# Altium PCB CATS-GS.PcbDoc (part 2 of 3) (continued)
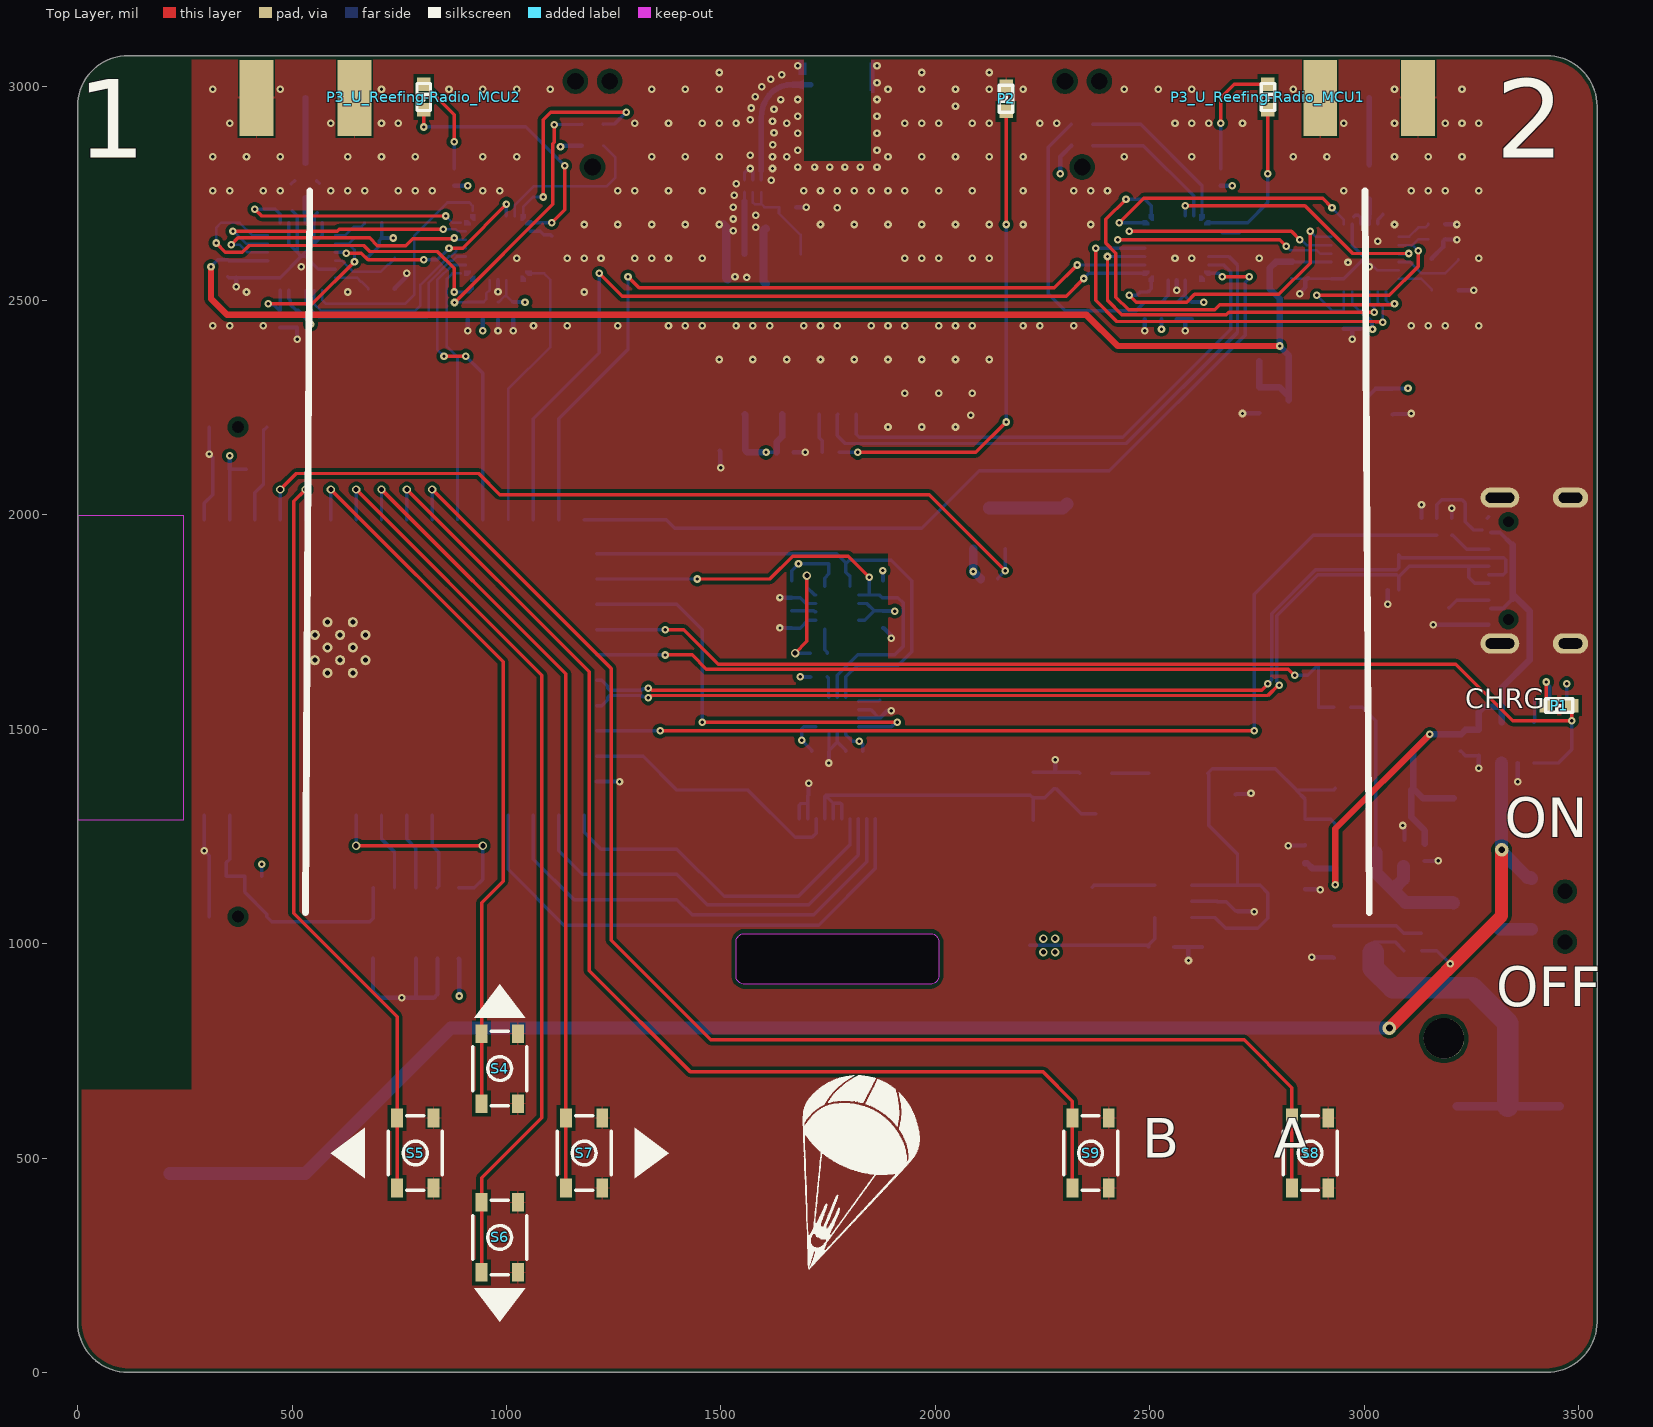
[diagram p0: Top Layer view]
## Nets (pads, with @x,y where several pads share a name; then routed paths per layer and width w, separated by ;. In a path a pad name is that pad's centre, name@x,y a point inside that pad or via, vN(x,y) a via of type N, cw(c..) or ccw(c..) an arc to the next point about the centre after c; other vN are vias at no path point) (continued)
  Top Layer w8: v1(2665.35,2913.39) 2665.35,2972.44 2696.85,3003.94 P3_U_Reefing-Radio_MCU1.A@2775.59,3003.94
  Bottom Layer w8: R17_U_Reefing-Radio_MCU1.1@2665.35,2807.4 v1(2665.35,2913.39)
NetP3_U_Reefing-Radio_MCU2_A: P3_U_Reefing-Radio_MCU2.A R17_U_Reefing-Radio_MCU2.1 | length 225.9
  Top Layer w8: P3_U_Reefing-Radio_MCU2.A@807.09,3003.94 877.95,2933.07 v1(877.95,2870.08)
  Bottom Layer w8: R17_U_Reefing-Radio_MCU2.1@877.95,2807.4 v1(877.95,2870.08)
NetQ2_6: Q2.6 U8.11 | length 143.7
  Bottom Layer w8: 1555.12,2731.3 Q2.6@1555.12,2751.97
  Bottom Layer w13.23: U8.11@1555.12,2608.27 1555.12,2731.3
NetQ3_U_Reefing-Radio1_1: Q3_U_Reefing-Radio1.1 U10_U_Reefing-Radio1.4 | length 165.3
  Bottom Layer w6: U10_U_Reefing-Radio1.4@3080.71,2589.57 3107.28,2589.57 3133.86,2562.99 3188.48,2562.99 3219.98,2594.49 Q3_U_Reefing-Radio1.1@3219.98,2596.46
NetQ3_U_Reefing-Radio1_2: Q3_U_Reefing-Radio1.2 U10_U_Reefing-Radio1.6 | length 89.4
  Bottom Layer w6: U10_U_Reefing-Radio1.6@3080.71,2550.2 3133.37,2550.2 3157.97,2525.59 Q3_U_Reefing-Radio1.2@3157.97,2523.62
NetQ3_U_Reefing-Radio2_1: Q3_U_Reefing-Radio2.1 U10_U_Reefing-Radio2.4 | length 164.5
  Bottom Layer w6: U10_U_Reefing-Radio2.4@600.39,2592.52 616.14,2592.52 641.73,2566.93 707.19,2566.93 722.98,2582.72 724.95,2582.72 739.67,2597.44 Q3_U_Reefing-Radio2.1@739.67,2599.41
NetQ3_U_Reefing-Radio2_2: Q3_U_Reefing-Radio2.2 U10_U_Reefing-Radio2.6 | length 89.4
  Bottom Layer w6: U10_U_Reefing-Radio2.6@600.39,2553.15 651.08,2553.15 660.97,2543.26 662.94,2543.26 677.66,2528.54 Q3_U_Reefing-Radio2.2@677.66,2526.57
NetQ4_G: Q4.G R21.1 U5.4 | length 1949.3
  Top Layer w8: v2(472.44,2059.06) 509.84,2096.46 935.04,2096.46 984.25,2047.24 1985.94,2047.24 v1(2163.39,1869.8)
  Bottom Layer w8: U5.4@472.44,1988.19 v2(472.44,2059.06) ; R21.1@2145.98,1850.39 2145.98,1852.39 v1(2163.39,1869.8) Q4.G@2163.39,1921.26
NetR1_2: R1.2 R4.1 U5.24 | length 2334.8
  Top Layer w8: v1(1358.27,1496.06) v1(2744.09,1496.06)
  Bottom Layer w8: U5.24@1210.63,1496.06 v1(1358.27,1496.06) ; v1(2744.09,1496.06) 2744.09,1814.96 2881.89,1952.76 3133.86,1952.76 3168.98,1952.76 R1.2@3169.29,1952.44
NetR2_2: R2.2 X1.B5 | length 100.7
  Bottom Layer w8: R2.2@3196.85,1783.78 3198.85,1783.78 3216.25,1801.18 X1.B5@3290.35,1801.18
NetR3_2: R3.2 X1.A5 | length 99.4
  Bottom Layer w8: R3.2@3204.72,1952.44 3206.72,1952.44 3239.87,1919.29 X1.A5@3290.35,1919.29
NetR10_2: R10.2 U3.6 | length 56.1
  Bottom Layer w8: U3.6@3395.67,1515.75 3397.95,1518.03 R10.2@3397.95,1570.87
NetR11_1: R11.1 S3.1 U5.3 | length 227.9
  Bottom Layer w8: U5.3@413.39,1988.19 413.39,2051.18 433.39,2071.18 R11.1@433.39,2106.3 433.39,2197.16 S3.1@440.94,2204.72
NetR12_1: R12.1 U7.12 | length 48.6
  Bottom Layer w8: R12.1@1748.35,1622.05 1751.05,1619.35 1751.05,1575.88 U7.12@1751.97,1574.96
NetR15_2: R15.2 U7.1 | length 49.7
  Bottom Layer w8: U7.1@1821.36,1564.96 1822.28,1565.88 1868.72,1565.88 R15.2@1870.08,1567.24
NetR16_2: R16.2 U8.4 | length 91.6
  Bottom Layer w8: U8.4@1729.33,2234.25 1729.33,2180.12 1736.22,2173.23 1736.22,2145.98 R16.2@1735.91,2145.67
NetR20_U_Reefing-Radio_MCU1_2: R20_U_Reefing-Radio_MCU1.2 U9_U_Reefing-Radio_MCU1.23 | length 72.4
  Bottom Layer w8: U9_U_Reefing-Radio_MCU1.23@2637.8,2661.42 2665.35,2661.42 2668.98,2657.8 R20_U_Reefing-Radio_MCU1.2@2708.66,2657.8
NetR20_U_Reefing-Radio_MCU2_2: R20_U_Reefing-Radio_MCU2.2 U9_U_Reefing-Radio_MCU2.23 | length 55.9
  Bottom Layer w8: U9_U_Reefing-Radio_MCU2.23@1055.12,2661.42 1078.74,2661.42 1086.61,2653.54 1102.68,2653.54 R20_U_Reefing-Radio_MCU2.2@1106.3,2649.92
NetS4_1: S4.1 U5.6 | length 1690.1
  Top Layer w8: v2(590.55,2059.06) 992.13,1657.48 992.13,1145.67 941.93,1095.47 S4.1@941.93,790.35 S4.1@941.93,626.97
  Bottom Layer w8: U5.6@590.55,1988.19 v2(590.55,2059.06)
NetS5_1: S5.1 U5.5 | length 1811.1
  Top Layer w8: v2(531.5,2059.06) 503.94,2031.5 503.94,1070.83 745.08,829.69 S5.1@745.08,593.5 S5.1@745.08,430.12
  Bottom Layer w8: U5.5@531.5,1988.19 v2(531.5,2059.06)
NetS6_1: S6.1 U5.7 | length 2134.3
  Top Layer w8: v2(649.61,2059.06) 1082.68,1625.98 1082.68,594.49 941.93,453.74 S6.1@941.93,396.65 S6.1@941.93,233.27
  Bottom Layer w8: U5.7@649.61,1988.19 v2(649.61,2059.06)
NetS7_1: S7.1 U5.8 | length 1878
  Top Layer w8: v2(708.66,2059.05) 1138.78,1628.94 S7.1@1138.78,593.5 S7.1@1138.78,430.12
  Bottom Layer w8: U5.8@708.66,1988.19 v2(708.66,2059.05)
NetS8_1: S8.1 U5.10 | length 3259
  Top Layer w8: v2(826.77,2059.06) 1244.09,1641.73 1244.09,1007.87 1476.38,775.59 2720.47,775.59 2831.69,664.37 S8.1@2831.69,593.5 S8.1@2831.69,430.12
  Bottom Layer w8: U5.10@826.77,1988.19 v2(826.77,2059.06)
NetS9_1: S9.1 U5.9 | length 2824.7
  Top Layer w8: v2(767.72,2059.06) 1192.91,1633.86 1192.91,937.01 1429.13,700.79 2251.97,700.79 2319.88,632.87 S9.1@2319.88,593.5 S9.1@2319.88,430.12
  Bottom Layer w8: U5.9@767.72,1988.19 v2(767.72,2059.06)
NetTP17_1: TP17.1 U5.19 U7.4 | length 1035.3
  Top Layer w8: v1(1456.69,1516.73) v1(1911.42,1516.73)
  Bottom Layer w8: U5.19@1210.63,1791.34 TP17.1@1397.64,1791.34 1456.69,1732.28 v1(1456.69,1516.73) ; U7.4@1821.36,1505.91 1897.96,1505.91 1908.79,1516.73 v1(1911.42,1516.73)
NetU9_U_Reefing-Radio_MCU1_19: U9_U_Reefing-Radio_MCU1.19 U10_U_Reefing-Radio1.3 | length 615.5
  Top Layer w8: v1(2582.68,2720.47) 2862.2,2720.47 2973.3,2609.38 v1(3104.59,2609.38)
  Bottom Layer w8: U9_U_Reefing-Radio_MCU1.19@2582.68,2696.85 v1(2582.68,2720.47) ; U10_U_Reefing-Radio1.3@3080.71,2609.25 U10_U_Reefing-Radio1.3@3080.71,2609.25 3104.52,2609.32 v1(3104.59,2609.38)
NetU9_U_Reefing-Radio_MCU1_20: U9_U_Reefing-Radio_MCU1.20 X7_U_Reefing-Radio_MCU1.2 | length 330.5
  Bottom Layer w8: X7_U_Reefing-Radio_MCU1.2@2367.52,2861.02 2485.43,2861.02 2602.36,2744.09 U9_U_Reefing-Radio_MCU1.20@2602.36,2696.85
NetU9_U_Reefing-Radio_MCU1_21: U9_U_Reefing-Radio_MCU1.21 X7_U_Reefing-Radio_MCU1.4 | length 380.8
  Bottom Layer w8: X7_U_Reefing-Radio_MCU1.4@2367.52,2911.02 2478.74,2911.02 2622.05,2767.72 U9_U_Reefing-Radio_MCU1.21@2622.05,2700.79
NetU9_U_Reefing-Radio_MCU2_19: U9_U_Reefing-Radio_MCU2.19 U10_U_Reefing-Radio2.3 | length 488.3
  Top Layer w8: v1(625.98,2610.24) 661.42,2610.24 677.17,2594.49 v1(807.09,2594.49) ; v1(866.14,2622.05) 897.64,2622.05 v1(1000,2724.41)
  Bottom Layer w8: U10_U_Reefing-Radio2.3@600.39,2612.2 600.52,2612.08 624.14,2612.08 v1(625.98,2610.24) ; v1(807.09,2594.49) 838.58,2594.49 v1(866.14,2622.05) ; U9_U_Reefing-Radio_MCU2.19@1000,2696.85 v1(1000,2724.41)
NetU9_U_Reefing-Radio_MCU2_20: U9_U_Reefing-Radio_MCU2.20 X7_U_Reefing-Radio_MCU2.2 | length 372.6
  Bottom Layer w6: U9_U_Reefing-Radio_MCU2.20@1019.69,2696.85 1019.69,2722.44 1063.98,2766.73 1234.25,2766.73 1253.94,2786.42 1253.94,2832.87 X7_U_Reefing-Radio_MCU2.2@1225.79,2861.02
NetU9_U_Reefing-Radio_MCU2_21: U9_U_Reefing-Radio_MCU2.21 X7_U_Reefing-Radio_MCU2.4 | length 520
  Top Layer w8: v1(1085.63,2741.14) 1085.63,2921.26 1103.35,2938.98 v1(1279.53,2938.98)
  Bottom Layer w6: U9_U_Reefing-Radio_MCU2.21@1039.37,2700.79 1039.37,2718.5 1062.01,2741.14 v1(1085.63,2741.14)
  Bottom Layer w8: X7_U_Reefing-Radio_MCU2.4@1225.79,2911.02 1226.18,2911.42 1251.97,2911.42 v1(1279.53,2938.98)
RF_INT1_U_Reefing-Radio_MCU1: TP14.1 U5.16 U9_U_Reefing-Radio_MCU1.28 | length 1969.9
  Top Layer w8: v1(2669.29,2555.12) v1(2732.28,2555.12)
  Bottom Layer w8: U5.16@1181.1,1988.19 1372.51,1988.19 1392.2,1968.5 TP14.1@1397.64,1968.5 1968.5,1968.5 2102.36,2102.36 2405.51,2102.36 2722.44,2419.29 2722.44,2542.65 2732.28,2552.49 v1(2732.28,2555.12) ; U9_U_Reefing-Radio_MCU1.28@2641.73,2562.99 2661.42,2562.99 v1(2669.29,2555.12)
RF_INT1_U_Reefing-Radio_MCU2: TP11.1 U5.13 U9_U_Reefing-Radio_MCU2.28 | length 650.2
  Bottom Layer w6: U5.13@1003.94,1988.19 TP11.1@1003.94,2224.41 1003.94,2293.31 1102.36,2391.73 1102.36,2548.23 1087.6,2562.99 U9_U_Reefing-Radio_MCU2.28@1059.06,2562.99
RX1: TP9.1 U5.11 U9_U_Reefing-Radio_MCU2.8 | length 610.1
  Bottom Layer w6: U5.11@885.83,1988.19 TP9.1@885.83,2224.41 885.83,2367.69 861.09,2392.42 861.09,2550.07 874.02,2562.99 893.7,2562.99
RX1_U_Reefing-Radio_MCU1: U8.2 U9_U_Reefing-Radio_MCU1.27 | length 1218.1
  Bottom Layer w8: U8.2@1815.94,2234.25 1815.94,2187.99 1822.83,2181.1 2437.01,2181.1 2688.98,2433.07 2688.98,2566.93 2673.23,2582.68 U9_U_Reefing-Radio_MCU1.27@2637.8,2582.68
RX1_U_Reefing-Radio_MCU2: U9_U_Reefing-Radio_MCU2.27
RX2: TP12.1 U5.14 U9_U_Reefing-Radio_MCU1.8 | length 1950.2
  Top Layer w8: v1(1216.54,2562.99) 1269.69,2509.84 2305.12,2509.84 v1(2346.46,2551.18)
  Bottom Layer w8: U5.14@1062.99,1988.19 TP12.1@1062.99,2224.41 1216.54,2377.95 v1(1216.54,2562.99) ; v1(2346.46,2551.18) 2358.27,2562.99 U9_U_Reefing-Radio_MCU1.8@2484.25,2562.99
RX2_U_Reefing-Radio_MCU1: TP13.1 U5.15 U9_U_Reefing-Radio_MCU1.9 | length 1871.1
  Top Layer w8: v1(1283.46,2555.12) 1309.06,2529.53 2277.56,2529.53 v1(2330.71,2582.68)
  Bottom Layer w8: U5.15@1122.05,1988.19 TP13.1@1122.05,2224.41 1283.46,2385.83 v1(1283.46,2555.12) ; v1(2330.71,2582.68) U9_U_Reefing-Radio_MCU1.9@2488.19,2582.68
RX2_U_Reefing-Radio_MCU2: TP10.1 U5.12 U9_U_Reefing-Radio_MCU2.9 | length 714.7
  Top Layer w8: v1(854.33,2370.08) v1(905.51,2370.08)
  Bottom Layer w6: v1(854.33,2370.08) 838.58,2385.83 838.58,2547.24 874.02,2582.68 U9_U_Reefing-Radio_MCU2.9@905.51,2582.68
  Bottom Layer w8: v1(905.51,2370.08) 944.88,2330.71 TP10.1@944.88,2224.41 U5.12@944.88,1988.19
SCK: TP22.1 U5.30 X5.1 | length 1206.4
  Bottom Layer w8: U5.30@1003.94,1299.21 1003.94,1173.23 1133.86,1043.31 TP22.1@1397.64,1043.31 1728.35,1043.31 1860.24,1175.2 X5.1@1860.24,1290.85
SCK1_U_Reefing-Radio_MCU1: U9_U_Reefing-Radio_MCU1.7 U10_U_Reefing-Radio1.18 | length 668.1
  Top Layer w8: v1(2452.76,2511.81) 2468.5,2496.06 2586.61,2496.06 2604.47,2513.92 2801.32,2513.92 2874.02,2586.61 v1(2874.02,2661.42)
  Bottom Layer w6: v1(2874.02,2661.42) 2886.81,2648.62 U10_U_Reefing-Radio1.18@2923.23,2648.62
  Bottom Layer w8: v1(2452.76,2511.81) 2470.31,2511.81 2478.18,2519.69 2496.06,2519.69 2503.94,2527.56 U9_U_Reefing-Radio_MCU1.7@2503.94,2543.31
SCK1_U_Reefing-Radio_MCU2: U9_U_Reefing-Radio_MCU2.7 U10_U_Reefing-Radio2.18 | length 875.1
  Top Layer w8: v1(322.83,2633.86) 344.63,2612.06 383.72,2612.06 399.75,2628.09 667.18,2628.09 681.1,2614.17 838.58,2614.17 877.95,2574.8 v1(877.95,2519.69)
  Bottom Layer w6: v1(322.83,2633.86) 322.83,2669.29 334.65,2681.1 377.95,2681.1 407.48,2651.57 U10_U_Reefing-Radio2.18@442.91,2651.57 ; v1(877.95,2519.69) 913.39,2519.69 921.26,2527.56 921.26,2535.43
SCL: R14.1 TP16.1 U5.18 U6.1 U7.13 | length 1164.9
  Top Layer w8: v1(1444.88,1850.39) 1614.17,1850.39 1667.46,1903.69 1797.1,1903.69 v1(1846.46,1854.33)
  Bottom Layer w8: U5.18@1210.63,1850.39 TP16.1@1397.64,1850.39 v1(1444.88,1850.39) ; U7.13@1771.65,1574.96 1771.65,1625.98 1818.9,1673.23 1905.51,1673.23 1925.2,1692.91 1925.2,1794.53 1912.95,1806.77 R14.1@1877.95,1806.77 1875.95,1806.77 1869.73,1812.99 1845.79,1812.99 ; U6.1@1821.85,1812.99 1845.79,1812.99 ; v1(1846.46,1854.33) 1846.46,1813.66 1845.79,1812.99
SDA: R13.1 TP15.1 U5.17 U6.16 U7.14 | length 1214.6
  Bottom Layer w8: U5.17@1210.63,1909.45 TP15.1@1397.64,1909.45 1770.03,1909.45 1791.65,1887.83 R13.1@1791.65,1885.83 ; U7.14@1791.34,1574.96 1791.34,1622.05 1818.9,1649.61 1913.39,1649.61 1944.88,1681.1 1944.88,1846.46 1897.64,1893.7 1799.53,1893.7 R13.1@1791.65,1885.83 ; U6.16@1801.18,1833.66 1801.18,1856.3 1791.65,1865.83 R13.1@1791.65,1885.83
TX1_U_Reefing-Radio_MCU1: U8.3 U9_U_Reefing-Radio_MCU1.26 | length 1330.2
  Bottom Layer w8: U8.3@1772.64,2234.25 1771.65,2233.27 1771.65,2185.04 1790.35,2166.34 2445.87,2166.34 2704.72,2425.2 2704.72,2582.68 2685.04,2602.36 U9_U_Reefing-Radio_MCU1.26@2637.8,2602.36
TX1_U_Reefing-Radio_MCU2: U9_U_Reefing-Radio_MCU2.26
USB_D_N: D2.6 U5.22 X1.A7 X1.B7 | length 2454.5
  Top Layer w8: v1(1330.71,1596) 1333.34,1596 1338.7,1590.65 2761.18,1590.65 2776.21,1605.68 v1(2775.39,1606.5)
  Bottom Layer w8: U5.22@1210.63,1614.17 1222.44,1614.17 1236.16,1600.46 1236.16,1595.33 1240.84,1590.65 1314.96,1590.65 1318.46,1594.14 1328.85,1594.14 v1(1330.71,1596) ; v1(2775.39,1606.5) 2775.39,1607.19 2784.24,1616.05 2784.24,1769.72 2886.67,1872.14 3076.02,1872.14 3080.71,1876.83 D2.6@3080.71,1905.45 ; D2.6@3080.71,1907.48 D2.6@3080.71,1905.45 ; X1.A7@3290.35,1860.24 3324.8,1860.24 3330.71,1866.14 3330.71,1894.92 3326.02,1899.61 X1.B7@3290.35,1899.61 3086.55,1899.61 D2.6@3080.71,1905.45
USB_D_P: D2.1 U5.23 X1.A6 X1.B6 | length 2437.4
  Top Layer w8: v1(1330.71,1573.29) 1333.34,1573.29 1338.7,1578.65 2775.9,1578.65 2799.61,1602.36 v1(2802.24,1602.36)
  Bottom Layer w8: U5.23@1210.63,1555.12 1222.44,1555.12 1236.16,1568.83 1236.16,1573.96 1240.84,1578.65 1314.96,1578.65 1318.46,1575.15 1328.85,1575.15 v1(1330.71,1573.29) ; v1(2802.24,1602.36) 2802.24,1604.99 2796.24,1610.99 2796.24,1764.75 2891.64,1860.14 3076.02,1860.14 3080.71,1855.46 ; D2.1@3080.71,1824.8 3080.71,1855.46 ; X1.B6@3290.35,1840.55 3257.87,1840.55 3244.09,1854.33 3244.09,1879.92 ; X1.A6@3290.35,1879.92 3244.09,1879.92 ; 3080.71,1855.46 3105.17,1879.92 3244.09,1879.92
VBAT: R6.2 S1.3 U3.3 X3.1 | length 3891.4
  Top Layer w30: v3(3059.06,803.15) 3320.87,1064.96 v3(3320.87,1218.91)
  Bottom Layer w8: R6.2@3133.86,983.94 3169.61,983.94 v1(3200.79,952.76)
  Bottom Layer w30: X3.1@214.92,463.9 530.83,463.9 870.08,803.15 v3(3059.06,803.15) ; U3.3@3320.87,1421.26 v3(3320.87,1218.91) 3321.15,1218.62 3321.15,1214.28 3381.14,1154.29 3388.03,1154.29 S1.3@3390.75,1151.57
VBAT_ON: C3.2 Q1.D R5.2 S1.2 TP1.1 | length 790
  Bottom Layer w8: R5.2@2968.82,1551.18 2996.06,1551.18 3027.56,1519.69 Q1.D@3027.56,1212.6
  Bottom Layer w30: Q1.D@3027.56,1212.6 3027.56,1165.35 3064.96,1127.95 ; C3.2@3091.99,1180.1 3091.99,1151.04 3068.9,1127.95 3064.96,1127.95 ; TP1.1@3208.66,1094.49 3206.87,1096.28 3096.63,1096.28 3064.96,1127.95 ; 3307.09,1043.31 3316.93,1033.46 S1.2@3390.75,1033.46
VBUS: C2.2 C11.2 C12.2 D1.A Q1.G R1.1 R8.2 TP4.1 U3.4 X1.A4B9 X1.B4A9 | length 1951.6
  Top Layer w15: v1(2933.07,1137.8) 2933.07,1267.72 v1(3153.54,1488.19)
  Bottom Layer w8: R1.1@3169.29,1992.44 3169.29,2023.62 3181.1,2035.43 3228.35,2035.43 3236.22,2027.56 3236.22,1984.25 3255.91,1964.57 X1.A4B9@3275.59,1964.57
  Bottom Layer w10: X1.B4A9@3296.26,1781.5 3323.72,1781.5 3346.27,1804.05 ; X1.A4B9@3296.26,1958.66 3316.93,1958.66 3345.47,1930.12
  Bottom Layer w15: C2.2@2862.2,1187.48 2867.2,1187.48 2879.49,1175.2 Q1.G@2933.07,1175.2 v1(2933.07,1137.8) ; R8.2@3141.73,1232.6 3141.73,1263.78 3110.24,1295.28 3110.24,1358.27 D1.A@3114.17,1362.2 ; TP4.1@3208.66,1338.58 3137.8,1338.58 D1.A@3114.17,1362.2 ; U3.4@3320.87,1515.75 3320.87,1556.1 ; 3346.27,1804.05 3346.27,1815.14 ; 3346.27,1930.12 3346.27,1815.14 ; D1.A@3114.17,1362.2 3114.17,1448.82 v1(3153.54,1488.19) 3153.86,1488.5 C12.2@3224.41,1488.5 3226.41,1488.5 3236.41,1498.5 C11.2@3267.72,1498.5 3267.72,1539.37 3280.51,1552.17 3316.93,1552.17 3320.87,1556.1 ; 3320.87,1556.1 3320.87,1596.46 3385.83,1661.42 3385.83,1775.59 3346.27,1815.14
VIN: C4.2 C6.2 C7.2 C13.2 D1.K L3.1 Q1.S TP2.1 U2.1 U2.3 | length 1236
  Bottom Layer w8: U2.3@2598.43,1061.02 2651.58,1061.02 2677.17,1035.43 2751.97,1035.43 2775.59,1059.06 2775.59,1118.11 2757.87,1135.83 2704.72,1135.83 U2.1@2598.43,1135.83 ; C7.2@2704.72,1136.3 2704.72,1208.66 2637.8,1275.59 2637.8,1395.67 L3.1@2635.83,1397.64 2646.14,1407.95 C13.2@2700.79,1407.95 2792.83,1407.95 TP2.1@2842.52,1358.27 ; Q1.S@2933.07,1250 2933.07,1279.53 2922.76,1289.84 C4.2@2862.2,1289.84 2862.2,1337.39 2842.52,1357.07 TP2.1@2842.52,1358.27 ; D1.K@2933.07,1362.2 2929.13,1358.27 TP2.1@2842.52,1358.27
pads on no net: D2.3 D2.4 D2.5 LS1.NC S1.1 S1.NC S2.6 S3.6 U3.5 U5.31 U5.32 U5.37 U5.38 U5.39 U5.40 U6.3 U6.5 U6.6 U6.7 U6.14 U6.15 U7.9 U7.10 U7.11 U8.5 U8.7 U8.9 U8.13 U8.15 U8.16 U8.17 U8.18 U9_U_Reefing-Radio_MCU1.1 U9_U_Reefing-Radio_MCU1.2 U9_U_Reefing-Radio_MCU1.6 U9_U_Reefing-Radio_MCU1.16 U9_U_Reefing-Radio_MCU1.17 U9_U_Reefing-Radio_MCU1.18 U9_U_Reefing-Radio_MCU1.24 U9_U_Reefing-Radio_MCU1.25 U9_U_Reefing-Radio_MCU2.1 U9_U_Reefing-Radio_MCU2.2 U9_U_Reefing-Radio_MCU2.6 U9_U_Reefing-Radio_MCU2.16 U9_U_Reefing-Radio_MCU2.17 U9_U_Reefing-Radio_MCU2.18 U9_U_Reefing-Radio_MCU2.24 U9_U_Reefing-Radio_MCU2.25 U10_U_Reefing-Radio1.10 U10_U_Reefing-Radio1.14 U10_U_Reefing-Radio2.10 U10_U_Reefing-Radio2.14 X1.A8 X1.B8 X1.NC X3.NC X5.NC X6.7 X7_U_Reefing-Radio_MCU1.6 X7_U_Reefing-Radio_MCU1.NC X7_U_Reefing-Radio_MCU2.6 X7_U_Reefing-Radio_MCU2.NC

## Polygon pours and split planes (outlines as drawn)
GND on Bottom Layer "GND_L04_P017" (solid, remove dead copper, pour order 17): 0,118.11 0,2952.76 cw(c118.11,2952.76) 118.11,3070.87 1535.43,3070.87 2204.72,3070.87 3346.46,3070.87 3425.2,3070.87 cw(c3425.2,2952.76) 3543.31,2952.76 3543.31,118.11 cw(c3425.2,118.11) 3425.2,0 118.11,0 cw(c118.11,118.11)
GND on Bottom Layer "Bottom Layer-GND 1" (solid, pour order 23): 3025.99,2774.25 3032.78,2771.43 3038.61,2766.96 3043.09,2761.13 3045.9,2754.33 3046.86,2747.05 3046.86,2725.39 3046.72,2724.31 3046.72,2700.79 3046.35,2698.05 3046.17,2695.29 3045.66,2692.71 3045.07,2690.97 3044.73,2689.27 3044.73,2678.15 3044.66,2677.58 3044.66,2668.7 3044.41,2666.87 3044.42,2665.03 3043.94,2663.24 3043.7,2661.41 3042.99,2659.71 3042.51,2657.93 3041.14,2654.61 3039.93,2652.51 3037.46,2648.25 3037.46,2648.24 3032.27,2643.05 3028,2640.59 3025.9,2639.37 3022.59,2638 3016.29,2636.31 3015.49,2636.1 3011.81,2636.1 3008.14,2636.1 3007.33,2636.31 3001.04,2638 2997.72,2639.37 2995.62,2640.59 2991.36,2643.05 2986.16,2648.24 2986.16,2648.25 2983.7,2652.51 2982.48,2654.61 2981.11,2657.93 2980.63,2659.71 2979.93,2661.41 2979.68,2663.24 2979.21,2665.03 2979.21,2666.87 2978.97,2668.7 2978.97,2677.58 2978.89,2678.15 2978.89,2689.27 2978.55,2690.97 2977.96,2692.71 2977.45,2695.29 2977.27,2698.05 2976.91,2700.79 2976.91,2724.31 2976.76,2725.39 2976.76,2747.05 2977.72,2754.33 2980.54,2761.13 2985.01,2766.96 2990.84,2771.43 2997.63,2774.25 3004.92,2775.2 3018.7,2775.2
GND on Bottom Layer "Bottom Layer-GND 2" (solid, pour order 22): 1733.67,3044.91 1740.46,3042.1 1746.29,3037.63 1750.76,3031.8 1753.58,3025 1754.54,3017.72 1754.54,2988.19 1753.58,2980.9 1750.76,2974.11 1746.29,2968.28 1740.46,2963.8 1733.67,2960.99 1726.38,2960.03 1692.91,2960.03 1685.63,2960.99 1678.83,2963.8 1673.43,2967.95 1671.77,2968.05 1664.2,2968.05 1655.8,2966.95 1648.85,2964.07 1642.97,2959.56 1637.22,2952.56 1633.01,2944.67 1630.42,2936.12 1629.39,2925.69 1629.39,2910.44 1632,2904.13 1632.96,2896.84 1632.96,2872.84 1632,2865.55 1629.39,2859.25 1629.39,2802.17 1629.03,2799.43 1628.85,2796.67 1628.33,2794.09 1627.74,2792.34 1627.38,2790.53 1626.98,2789.71 1626.98,2781.5 1626.73,2779.67 1626.73,2777.82 1626.58,2777.25 1626.58,2771.65 1625.62,2764.37 1622.81,2757.57 1618.34,2751.74 1612.5,2747.27 1605.71,2744.46 1598.43,2743.5 1590.55,2743.5 1583.26,2744.46 1576.47,2747.27 1570.64,2751.74 1566.17,2757.57 1563.35,2764.37 1562.39,2771.65 1562.39,2777.25 1562.24,2777.82 1562.24,2779.67 1562,2781.5 1562,2789.71 1561.59,2790.53 1561.23,2792.34 1560.64,2794.09 1560.13,2796.67 1559.95,2799.43 1559.59,2802.17 1559.59,2860.77 1557.61,2865.55 1556.65,2872.84 1556.65,2896.84 1557.61,2904.13 1559.59,2908.91 1559.59,2925 1559.29,2927.22 1559.48,2928.6 1559.43,2929.98 1561.12,2947.09 1561.74,2949.78 1562.19,2952.5 1567.18,2968.95 1568.32,2971.47 1569.29,2974.05 1577.4,2989.21 1579.01,2991.46 1580.46,2993.8 1591.37,3007.09 1592.38,3008.04 1593.22,3009.14 1594.72,3010.29 1595.33,3010.94 1596.5,3011.9 1596.73,3012.12 1596.83,3012.17 1606.06,3019.74 1608.4,3021.2 1610.65,3022.81 1622.89,3029.35 1625.47,3030.32 1627.99,3031.46 1641.27,3035.49 1644,3035.94 1646.68,3036.57 1660.5,3037.93 1661.88,3037.88 1663.26,3038.07 1664.86,3037.85 1671.22,3037.85 1673.55,3038.05 1678.83,3042.1 1685.63,3044.91 1692.91,3045.87 1726.38,3045.87
GND on Bottom Layer "Bottom Layer-GND" (solid, pour order 16): 1566.34,2788.02 1573.13,2785.21 1578.97,2780.74 1583.44,2774.91 1586.25,2768.11 1587.21,2760.83 1587.21,2756.21 1587.36,2755.64 1587.36,2753.8 1587.61,2751.97 1587.61,2743.76 1588.01,2742.93 1588.37,2741.12 1588.96,2739.37 1589.48,2736.79 1589.66,2734.04 1590.02,2731.3 1590.02,2664.95 1591.76,2663.61 1596.24,2657.78 1599.05,2650.99 1600.01,2643.7 1600.01,2572.83 1599.05,2565.55 1596.24,2558.76 1591.76,2552.92 1585.93,2548.45 1579.14,2545.64 1571.85,2544.68 1540.35,2544.68 1533.07,2545.64 1526.28,2548.45 1520.44,2552.92 1515.97,2558.76 1513.16,2565.55 1512.2,2572.83 1512.2,2643.7 1513.16,2650.99 1515.97,2657.78 1520.22,2663.32 1520.22,2731.3 1520.58,2734.04 1520.76,2736.79 1521.27,2739.37 1521.86,2741.12 1522.22,2742.93 1522.63,2743.76 1522.63,2751.97 1522.87,2753.8 1522.87,2755.64 1523.02,2756.21 1523.02,2760.83 1523.98,2768.11 1526.8,2774.91 1531.27,2780.74 1537.1,2785.21 1543.89,2788.02 1551.18,2788.98 1559.06,2788.98
NetL1_1 on Bottom Layer "NETL1_1_L04_P004" (solid, remove dead copper, pour order 4): 2535.43,1149.61 2492.13,1149.61 2480.31,1161.42 2303.15,1161.42 2303.15,1106.3 2480.31,1106.3 2496.06,1122.05 2535.43,1122.05
3V3 on Bottom Layer "3V3_L04_P003" (solid, remove dead copper, pour order 3): 2535.43,1074.8 2488.19,1074.8 2437.01,1023.62 2228.35,1023.62 2204.72,1000 2204.72,988.19 2224.41,968.5 2507.87,968.5 2535.43,996.06
VIN on Bottom Layer "VIN_L04_P002" (solid, remove dead copper, pour order 2): 2610.24,1464.57 2610.24,1188.98 2574.8,1153.54 2574.8,1122.05 2771.65,1122.05 2771.65,1251.97 2885.83,1251.97 2909.45,1228.35 2968.5,1228.35 2984.25,1244.09 2984.25,1397.64 2838.58,1397.64 2771.65,1464.57
VBAT_ON on Bottom Layer "VBAT_ON_L04_P001" (solid, remove dead copper, pour order 1): 2996.06,1232.28 2996.06,1145.67 3094.49,1047.24 3181.1,1047.24 3224.41,1003.94 3417.32,1003.94 3417.32,1062.99 3295.28,1062.99 3220.47,1137.8 3118.11,1137.8 3118.11,1188.98 3110.24,1196.85 3059.06,1196.85 3059.06,1232.28
BGND on Bottom Layer "BGND_L04_P000" (solid, remove dead copper, pour order 0): 2992.13,1023.62 2992.13,925.2 3059.06,858.27 3216.54,858.27 3263.78,811.02 3263.78,685.04 3192.91,614.17 3192.91,496.06 3480.32,496.06 3480.32,614.17 3393.7,700.79 3393.7,795.28 3255.91,933.07 3141.73,933.07 3106.3,968.5 3106.3,992.13 3086.61,992.13 3055.12,1023.62
3V3 on Mid Layer 1 "3V3_L02_P021" (solid, remove dead copper, pour order 21): 0,118.11 0,2952.76 cw(c118.11,2952.76) 118.11,3070.87 1535.43,3070.87 2204.72,3070.87 3346.46,3070.87 3425.2,3070.87 cw(c3425.2,2952.76) 3543.31,2952.76 3543.31,118.11 cw(c3425.2,118.11) 3425.2,0 118.11,0 cw(c118.11,118.11)
GND on Top Layer "GND_L01_P011" (solid, remove dead copper, pour order 11): 0,118.11 0,2952.76 cw(c118.11,2952.76) 118.11,3070.87 1535.43,3070.87 ccw(c1535.43,3110.24) 1574.8,3110.24 1574.8,3385.83 cw(c1614.17,3385.83) 1614.17,3425.2 1929.13,3425.2 cw(c1929.13,3385.83) 1968.5,3385.83 1968.5,3110.24 ccw(c2007.87,3110.24) 2007.87,3070.87 2204.72,3070.87 3346.46,3070.87 3425.2,3070.87 cw(c3425.2,2952.76) 3543.31,2952.76 3543.31,118.11 cw(c3425.2,118.11) 3425.2,0 118.11,0 cw(c118.11,118.11)
GND on Mid Layer 2 "GND_L03_P006" (solid, remove dead copper, pour order 6): 0,118.11 0,2952.76 cw(c118.11,2952.76) 118.11,3070.87 3425.2,3070.87 cw(c3425.2,2952.76) 3543.31,2952.76 3543.31,118.11 cw(c3425.2,118.11) 3425.2,0 118.11,0 cw(c118.11,118.11)

## Other copper
Top Layer:
  pour cut-out: 1850.39,3070.87 1850.39,2824.8 1692.92,2824.8 1692.91,3070.87
Mid Layer 1:
  pour cut-out: 1889.76,3070.87 1889.76,2795.28 1653.55,2795.28 1653.54,3070.87
Mid Layer 2:
  pour cut-out: 1850.39,3070.87 1850.39,2824.8 1692.92,2824.8 1692.91,3070.87
Bottom Layer:
  rectangle net GND: 1846.46,2988.19 1854.33,3055.12
  rectangle net GND: 1680.91,3025.59 1699.8,3055.12
  rectangle net GND: 1680.91,3025.59 1692.91,3060.67
  rectangle net GND: 1850.39,2984.19 1858.75,3060.67
  pour cut-out: 3022.52,2756.28 3025.77,2754.11 3027.93,2750.87 3028.69,2747.05 3028.69,2725.39 3028.55,2724.67 3028.55,2700.79 3028.36,2699.82 3028.36,2698.84 3027.84,2696.26 3027.18,2694.66 3026.57,2693.17 3026.57,2678.15 3026.49,2677.77 3026.49,2668.7 3026.19,2667.18 3025.73,2664.88 3024.36,2661.56 3022.19,2658.32 3019.6,2656.59 3018.95,2656.15 3015.63,2654.78 3013.19,2654.3 3011.81,2654.02 3010.43,2654.3 3007.99,2654.78 3004.67,2656.15 3001.43,2658.32 2999.7,2660.91 2999.27,2661.56 2997.89,2664.88 2997.43,2667.18 2997.13,2668.7 2997.13,2677.77 2997.06,2678.15 2997.06,2693.17 2996.44,2694.66 2995.78,2696.26 2995.26,2698.84 2995.26,2699.82 2995.07,2700.79 2995.07,2724.67 2994.93,2725.39 2994.93,2747.05 2995.69,2750.87 2997.86,2754.11 3001.1,2756.28 3004.92,2757.04 3018.7,2757.04
  pour cut-out: 1730.2,3026.95 1733.44,3024.78 1735.61,3021.54 1736.37,3017.72 1736.37,2988.19 1735.61,2984.37 1733.44,2981.12 1730.2,2978.96 1726.38,2978.2 1692.91,2978.2 1689.09,2978.96 1685.85,2981.12 1683.68,2984.37 1683.54,2985.09 1681.92,2985.42 1679.15,2985.79 1672.34,2986.22 1663.26,2986.22 1663.16,2986.24 1651.06,2984.64 1639.69,2979.93 1630.25,2972.7 1622.05,2962.7 1616.15,2951.66 1612.51,2939.68 1611.22,2926.58 1611.22,2904.34 1611.87,2903.91 1614.03,2900.67 1614.8,2896.84 1614.8,2872.84 1614.03,2869.02 1611.87,2865.78 1611.22,2865.35 1611.22,2802.17 1611.03,2801.2 1611.03,2800.22 1610.52,2797.64 1609.21,2794.47 1609.03,2794.03 1608.81,2793.71 1608.81,2781.5 1608.42,2779.52 1608.42,2771.65 1607.66,2767.83 1605.49,2764.59 1602.25,2762.42 1598.43,2761.66 1590.55,2761.66 1586.73,2762.42 1583.49,2764.59 1581.32,2767.83 1580.56,2771.65 1580.56,2779.52 1580.17,2781.5 1580.17,2793.71 1579.95,2794.03 1579.08,2796.14 1578.46,2797.64 1577.94,2800.22 1577.94,2801.2 1577.75,2802.17 1577.75,2865.77 1577.74,2865.78 1575.57,2869.02 1574.81,2872.84 1574.81,2896.84 1575.57,2900.67 1577.74,2903.91 1577.75,2903.92 1577.75,2925.72 1577.75,2925.78 1577.46,2927.22 1577.56,2927.71 1577.51,2928.2 1579.19,2945.31 1579.48,2946.25 1579.58,2947.23 1584.56,2963.68 1585.03,2964.55 1585.31,2965.49 1593.42,2980.65 1594.04,2981.41 1594.51,2982.28 1605.41,2995.57 1605.79,2995.88 1606.07,2996.29 1606.71,2996.72 1606.85,2996.89 1617.58,3005.7 1618.45,3006.16 1619.21,3006.79 1631.45,3013.33 1632.39,3013.62 1633.26,3014.08 1646.54,3018.11 1647.52,3018.21 1648.47,3018.49 1662.28,3019.85 1662.77,3019.8 1663.26,3019.9 1664.32,3019.69 1671.98,3019.69 1682.17,3020.53 1683.54,3020.81 1683.68,3021.54 1685.85,3024.78 1689.09,3026.95 1692.91,3027.71 1726.38,3027.71
  pour cut-out: 1562.88,2770.06 1566.12,2767.89 1568.29,2764.65 1569.05,2760.83 1569.05,2753.94 1569.44,2751.97 1569.44,2739.76 1569.66,2739.43 1570.53,2737.32 1571.15,2735.83 1571.66,2733.25 1571.66,2732.26 1571.85,2731.3 1571.85,2653.69 1575.67,2652.93 1578.92,2650.77 1581.08,2647.52 1581.84,2643.7 1581.84,2572.83 1581.08,2569.01 1578.92,2565.77 1575.67,2563.6 1571.85,2562.84 1540.35,2562.84 1536.53,2563.6 1533.29,2565.77 1531.12,2569.01 1530.36,2572.83 1530.36,2643.7 1531.12,2647.52 1533.29,2650.77 1536.53,2652.93 1538.38,2653.3 1538.38,2731.3 1538.57,2732.26 1538.57,2733.25 1539.09,2735.83 1540.4,2738.99 1540.58,2739.43 1540.8,2739.76 1540.8,2751.97 1541.19,2753.94 1541.19,2760.83 1541.95,2764.65 1544.12,2767.89 1547.36,2770.06 1551.18,2770.82 1559.06,2770.82
  pour cut-out: 1850.39,3070.87 1850.39,2824.8 1692.92,2824.8 1692.91,3070.87